# Altium PCB MiniPC.PcbDoc (part 16 of 23)
Units mm, origin at the board's own origin, x right, y up, seen from the top; angles counter-clockwise.
Board outline 175 x 155 mm, 16 copper layers (1_Top, 2_int1_(gnd), 3_int2_(power), 4_int3_(gnd), 5_int4_(sign), 6_int5_(power), 7_int6_(sign), 8_int7_(power), 9_int8_(gnd), 10_int9_(sign), 11_int10_(gnd), 12_int11_(sign), 13_int12_(gnd), 14_int13_(power), 15_int14_(gnd), 16_Bottom), stack 2.008 mm thick; 1046 components, 841 nets, 6010 pads, 4016 vias.
Unrouted connection lines stored in the file: 602.
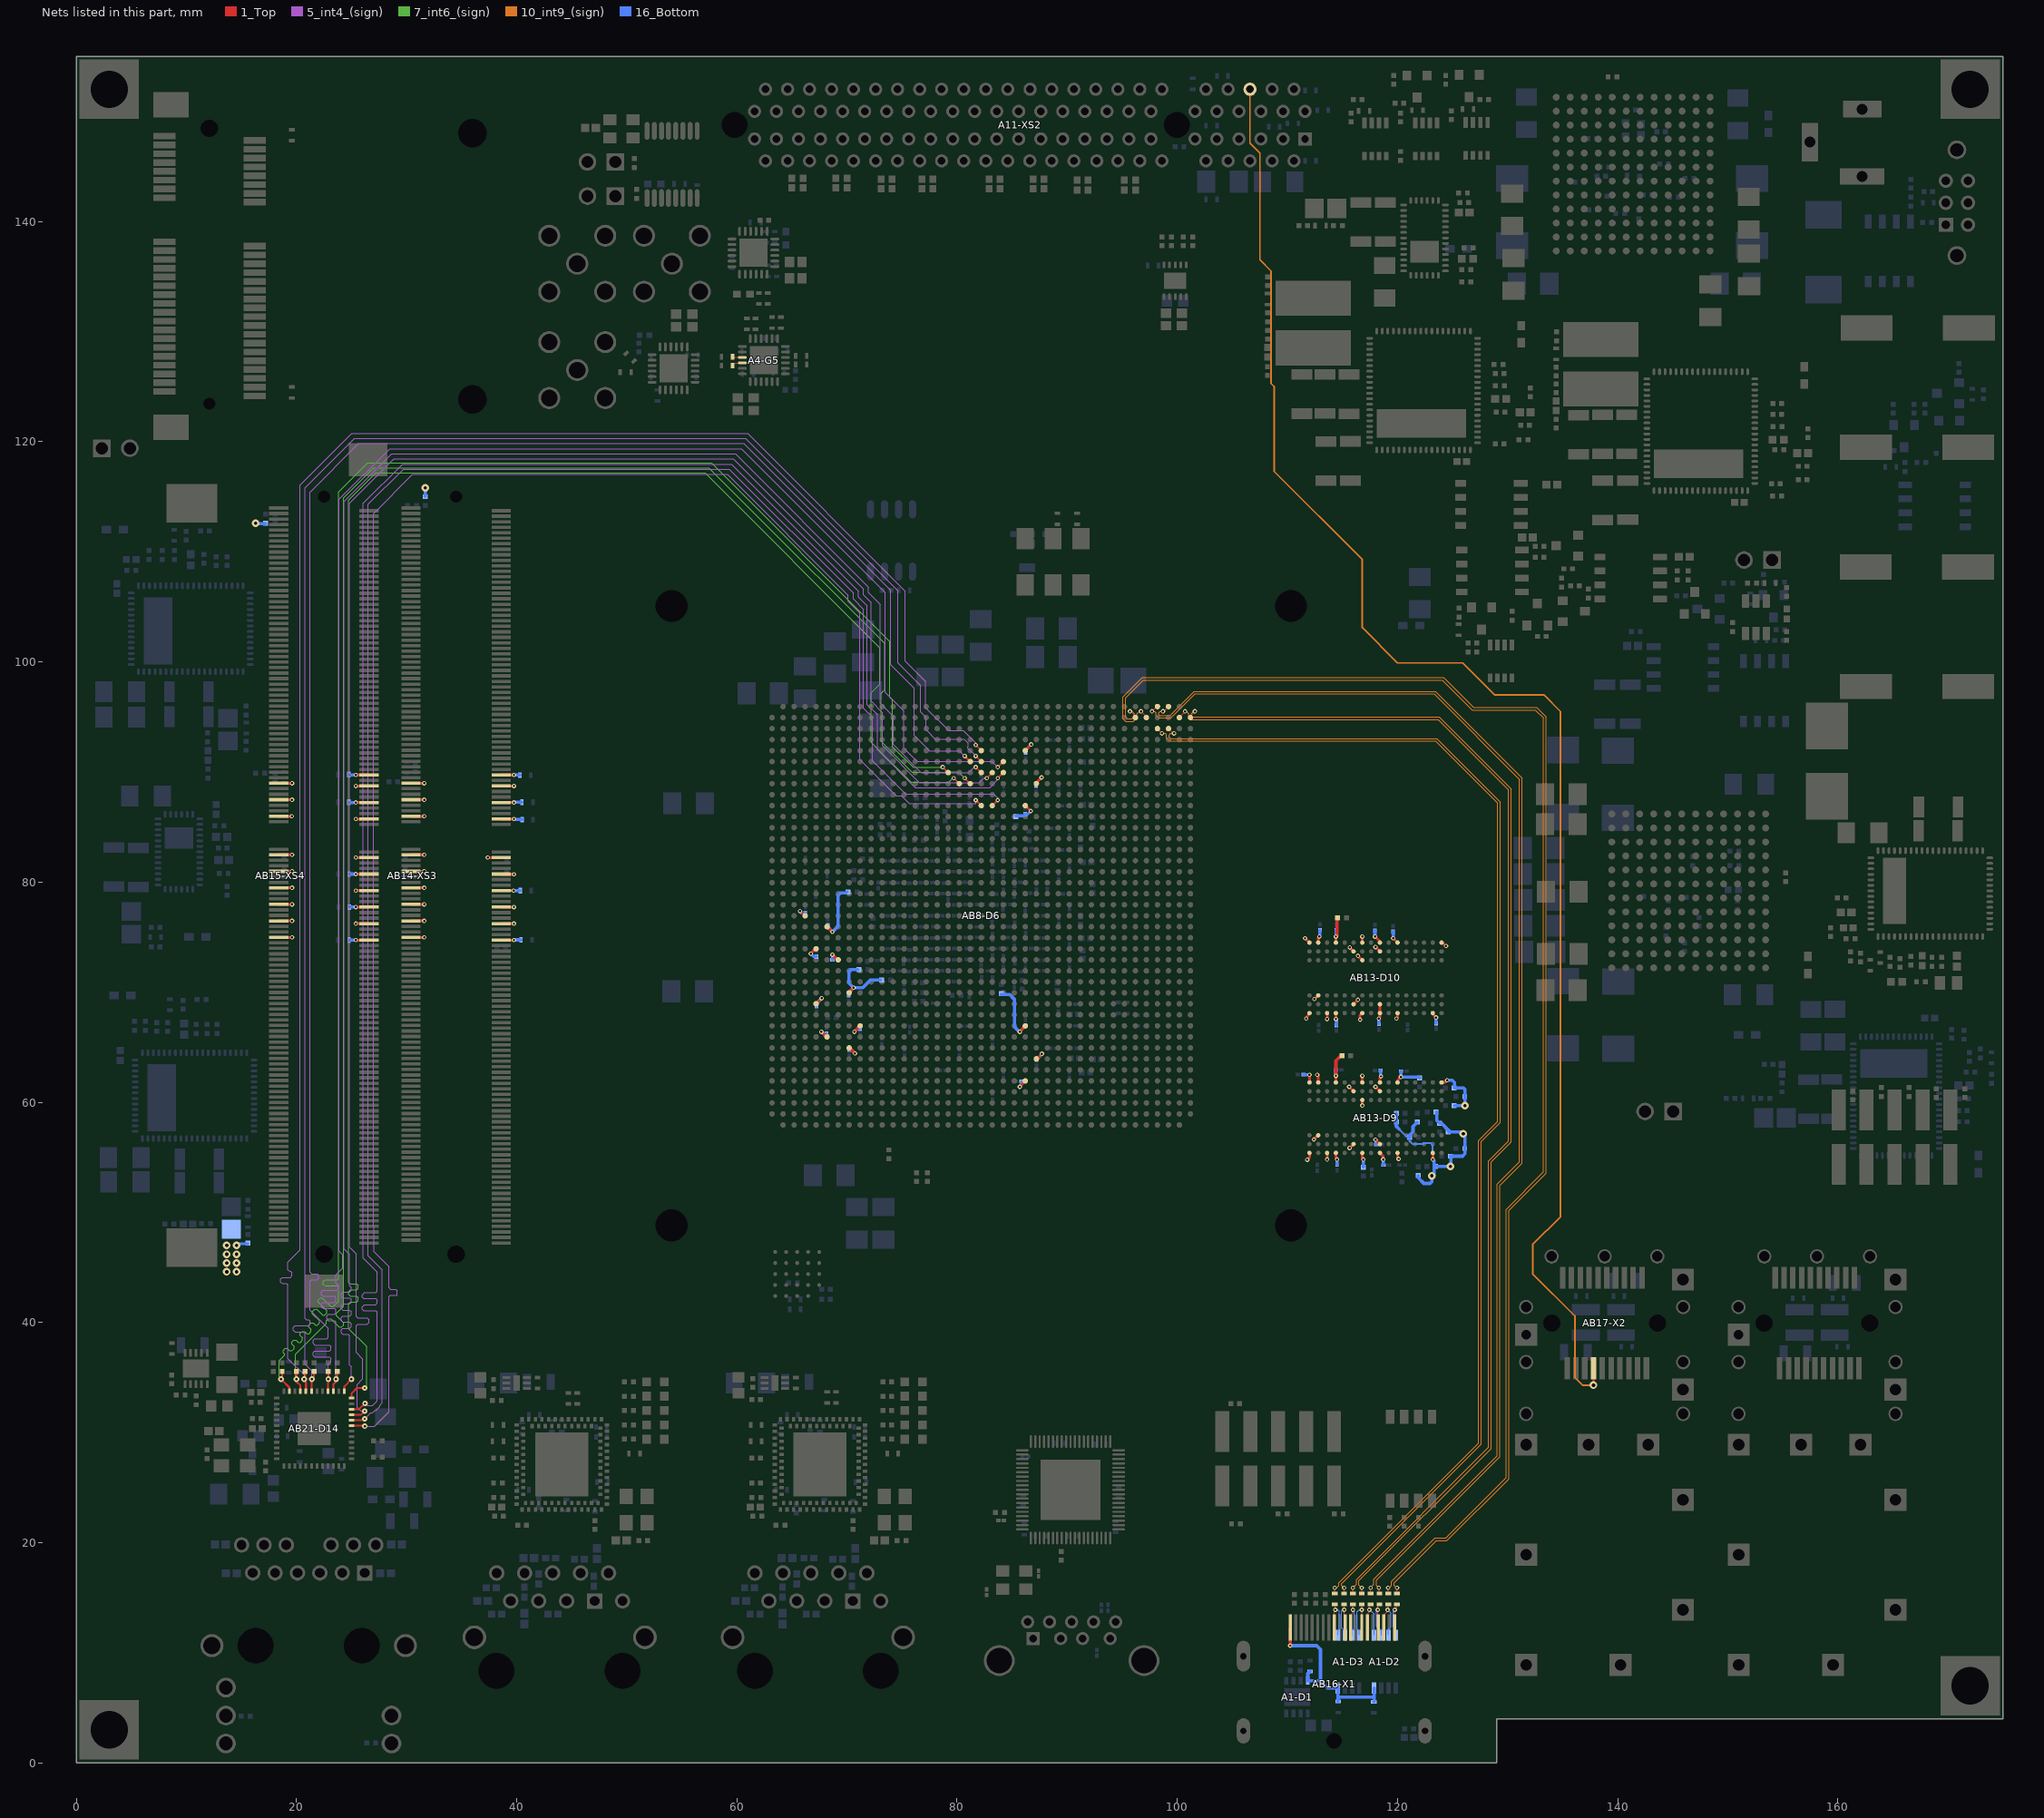
[diagram p30: the nets of this part, all layers, seen from the top]

## Via types
v1: diameter 0.4, hole 0.2, 1_Top to 16_Bottom, tented both sides, 1658 vias
v2: diameter 0.7, hole 0.3, 1_Top to 16_Bottom, tented both sides, 915 vias
v3: diameter 0.5, hole 0.2, 1_Top to 16_Bottom, tented both sides, 854 vias
v4: diameter 0.6, hole 0.2, 1_Top to 16_Bottom, 278 vias
v5: diameter 0.5, hole 0.2, 1_Top to 16_Bottom, 162 vias
v6: diameter 0.4, hole 0.2, 1_Top to 16_Bottom, 100 vias
v7: diameter 0.4/0/0/0/0/0/0/0/0/0/0/0/0/0/0/0.4 (per signal layer), hole 0.2, 1_Top to 16_Bottom, tented both sides, 18 vias
v8: diameter 0.4/0/0/0/0/0/0/0/0/0/0/0.4/0.4/0.4/0.4/0.4 (per signal layer), hole 0.2, 1_Top to 16_Bottom, tented both sides, 16 vias
v9: diameter 0.5, hole 0.254, 1_Top to 16_Bottom, 15 vias

## Nets (pads, with @x,y where several pads share a name; then routed paths per layer and width w, separated by ;. In a path a pad name is that pad's centre, name@x,y a point inside that pad or via, vN(x,y) a via of type N, cw(c..) or ccw(c..) an arc to the next point about the centre after c; other vN are vias at no path point) (continued)
DDR4VCC: AB2-C236.2 AB2-C242.2 AB2-C248.2 AB2-C253.2 AB2-C258.2 AB2-C263.2 AB2-C268.2 AB2-C273.2 AB2-C278.2 AB2-C283.2 AB2-C288.2 AB2-C293.2 AB2-C298.2 AB2-C303.2 AB2-C307.2 AB3-R34.1 AB3-R36.1 AB3-R38.1 AB3-R42.1 AB3-R45.1 AB8-D6.AA6 AB8-D6.AC5 AB8-D6.AD7 AB8-D6.AG8 AB8-D6.AH5 AB8-D6.AK9 AB8-D6.AK24 AB8-D6.AL6 AB8-D6.AM8 AB8-D6.AN25 AB8-D6.AR24 AB8-D6.E24 AB8-D6.H25 AB8-D6.K24 AB8-D6.Y4 AB13-C340.2 AB13-C341.2 AB13-C342.2 AB13-C343.2 AB13-C344.2 AB13-C345.2 AB13-C346.2 AB13-C349.2 AB13-C350.2 AB13-C351.2 AB13-C352.2 AB13-C353.2 AB13-C354.2 AB13-C355.2 AB13-D9.A1 AB13-D9.A9 AB13-D9.B3 AB13-D9.B9 AB13-D9.C1 AB13-D9.D1 AB13-D9.D9 AB13-D9.F2 AB13-D9.F8 AB13-D9.G1 AB13-D9.G7 AB13-D9.G9 AB13-D9.J1 AB13-D9.J2 AB13-D9.J8 AB13-D9.J9 AB13-D9.L1 AB13-D9.L9 AB13-D9.R1 AB13-D9.T9 AB13-D10.A1 AB13-D10.A9 AB13-D10.B3 AB13-D10.B9 AB13-D10.C1 AB13-D10.D1 AB13-D10.D9 AB13-D10.F2 AB13-D10.F8 AB13-D10.G1 AB13-D10.G7 AB13-D10.G9 AB13-D10.J1 AB13-D10.J2 AB13-D10.J8 AB13-D10.J9 AB13-D10.L1 AB13-D10.L9 AB13-D10.R1 AB13-D10.T9 AB13-R64.1 AB13-R65.1 AB13-R66.1 AB13-R67.1 AB13-R68.1 AB13-R69.1 AB13-R70.1 AB13-R71.1 AB13-R72.1 AB13-R73.1 AB13-R74.1 AB13-R75.1 AB13-R76.1 AB13-R77.1 AB13-R78.1 AB13-R80.2 AB13-R81.2 AB13-R82.2 AB14-C357.1 AB14-C358.1 AB14-C359.1 AB14-C360.1 AB14-C362.1 AB14-R87.1 AB14-XS3.111 AB14-XS3.112 AB14-XS3.117 AB14-XS3.118 AB14-XS3.123 AB14-XS3.124 AB14-XS3.129 AB14-XS3.130 AB14-XS3.135 AB14-XS3.136 AB14-XS3.141 AB14-XS3.142 AB14-XS3.147 AB14-XS3.148 AB14-XS3.153 AB14-XS3.154 AB14-XS3.159 AB14-XS3.160 AB14-XS3.163 AB15-C364.1 AB15-C365.1 AB15-C366.1 AB15-C367.1 AB15-C369.1 AB15-R92.1 AB15-XS4.111 AB15-XS4.112 AB15-XS4.117 AB15-XS4.118 AB15-XS4.123 AB15-XS4.124 AB15-XS4.129 AB15-XS4.130 AB15-XS4.135 AB15-XS4.136 AB15-XS4.141 AB15-XS4.142 AB15-XS4.147 AB15-XS4.148 AB15-XS4.153 AB15-XS4.154 AB15-XS4.159 AB15-XS4.160 AB15-XS4.163 AB26-R198.1 AB26-R199.2 | length 155.2
  1_Top w0.25: AB15-XS4.112@18.4,74.975 v1(19.602,74.975) ; AB15-XS4.118@18.4,76.475 v1(19.602,76.475) ; AB15-XS4.124@18.4,77.975 v1(19.602,77.975) ; AB15-XS4.130@18.4,79.475 v1(19.602,79.475) ; AB15-XS4.136@18.4,80.975 v1(19.602,80.975) ; AB15-XS4.142@18.4,82.475 v1(19.602,82.475) ; AB15-XS4.148@18.4,85.975 v1(19.572,85.975) ; AB15-XS4.154@18.4,87.475 v1(19.602,87.475) ; AB15-XS4.160@18.4,88.975 v1(19.602,88.975) ; v1(25.398,74.725) AB15-XS4.111@26.6,74.725 ; v1(25.398,76.225) AB15-XS4.117@26.6,76.225 ; v1(25.398,77.725) AB15-XS4.123@26.6,77.725 ; v1(25.398,79.225) AB15-XS4.129@26.6,79.225 ; v1(25.398,80.725) AB15-XS4.135@26.6,80.725 ; v1(25.398,82.225) AB15-XS4.141@26.6,82.225 ; v1(25.398,85.725) AB15-XS4.147@26.6,85.725 ; v1(25.398,87.225) AB15-XS4.153@26.6,87.225 ; v1(25.398,88.725) AB15-XS4.159@26.6,88.725 ; v1(25.398,89.725) AB15-XS4.163@26.6,89.725 ; AB14-XS3.112@30.4,74.975 v1(31.602,74.975) ; AB14-XS3.118@30.4,76.475 v1(31.602,76.475) ; AB14-XS3.124@30.4,77.975 v1(31.602,77.975) ; AB14-XS3.130@30.4,79.475 v1(31.602,79.475) ; AB14-XS3.136@30.4,80.975 v1(31.602,80.975) ; AB14-XS3.142@30.4,82.475 v1(31.602,82.475) ; AB14-XS3.148@30.4,85.975 v1(31.602,85.975) ; AB14-XS3.154@30.4,87.475 v1(31.602,87.475) ; AB14-XS3.160@30.4,88.975 v1(31.602,88.975) ; v1(37.375,82.225) AB14-XS3.141@38.6,82.225 ; AB14-XS3.111@38.6,74.725 v1(39.75,74.725) ; AB14-XS3.117@38.6,76.225 v1(39.75,76.225) ; AB14-XS3.123@38.6,77.725 v1(39.75,77.725) ; AB14-XS3.129@38.6,79.225 v1(39.725,79.225) ; AB14-XS3.135@38.6,80.725 AB14-XS3.135@38.621,80.704 ; AB14-XS3.147@38.6,85.725 v1(39.75,85.725) ; AB14-XS3.153@38.6,87.225 v1(39.75,87.225) ; AB14-XS3.159@38.6,88.725 v1(39.75,88.725) ; AB14-XS3.163@38.6,89.725 v1(39.75,89.725) ; v1(39.752,80.704) AB14-XS3.135@38.621,80.704 ; v1(65.725,77.35) 65.725,77.311 65.822,77.311 AB8-D6.Y4@66.194,76.939 AB8-D6.Y4@66.161,76.939 ; v1(66.7,73.5) 67.139,73.939 AB8-D6.AC5@67.194,73.939 AB8-D6.AC5@67.194,73.919 ; AB8-D6.AH5@67.194,68.939 v1(67.694,69.439) ; v1(85.7,61.4) 85.7,61.445 AB8-D6.AR24@86.194,61.939 ; v1(85.7,66.4) 85.7,66.445 AB8-D6.AK24@86.194,66.939 ; AB8-D6.K24@86.194,86.939 86.683,86.45 v1(86.7,86.45) ; AB8-D6.E24@86.194,91.939 86.725,92.47 v1(86.725,92.5) ; AB8-D6.AN25@87.194,63.939 87.239,63.939 v1(87.7,64.4) ; AB8-D6.H25@87.194,88.939 87.194,89.019 v1(87.675,89.5) ; v1(111.6,74.9) AB13-D10.A9@112,74.5 ; v1(111.7,67.6) 111.7,67.7 112,68 AB13-D10.A1@112,68.1 ; v1(111.8,54.775) 112,54.975 AB13-D9.A1@112,55.4 ; AB13-D9.A9@112,61.8 v1(112,62.5) ; v1(112.4,56.622) 112.778,57 AB13-D9.B3@112.8,57 ; v1@112.439,69.383 v1(112.45,69.372) 112.461,69.361 AB13-D10.B3@112.8,69.7 ; v1(112.7,62.5) 112.8,62.5 AB13-D9.B9@112.8,61.8 ; AB13-D10.B9@112.8,74.5 112.8,74.95 v1(112.9,75.05) ; v1(113.6,54.8) AB13-D9.C1@113.6,55.4 ; v1(113.6,67.55) AB13-D10.C1@113.6,68.1 ; AB13-D9.D1@114.4,55.4 114.4,54.9 v1(114.5,54.8) ; AB13-D9.D9@114.4,61.8 v1(114.4,62.4) ; v1(114.4,67.55) AB13-D10.D1@114.4,68.1 ; AB13-D10.D9@114.4,74.5 v1(114.4,75.05) ; v1(115.6,61.4) AB13-D9.F8@116,61 ; v1(115.65,55.85) AB13-D9.F2@116,56.2 ; v1(115.661,74.061) 115.661,74.039 AB13-D10.F8@116,73.7 ; AB13-D10.F2@116,68.9 v1(116.4,69.3) ; v1(116.4,73.3) AB13-D10.G7@116.8,72.9 ; v1(116.6,67.5) 116.6,67.9 AB13-D10.G1@116.8,68.1 ; AB13-D9.G1@116.8,55.4 116.8,54.9 v1(116.9,54.8) ; v1(116.8,59.7) AB13-D9.G7@116.8,60.2 ; AB13-D9.G9@116.8,61.8 v1(116.8,62.4) ; AB13-D10.G9@116.8,74.5 v1(116.8,75.05) ; v1(117.95,75.05) 118.4,74.6 AB13-D10.J9@118.4,74.5 ; v1(118,56.6) AB13-D9.J2@118.4,56.2 ; v1(118,61.4) AB13-D9.J8@118.4,61 ; v1(118,74.1) AB13-D10.J8@118.4,73.7 ; v1(118.3,67.6) 118.35,67.6 118.4,67.65 AB13-D10.J1@118.4,68.1 AB13-D10.J2@118.4,68.9 ; AB13-D9.J1@118.4,55.4 118.675,55.125 118.675,54.8 v1(118.7,54.8) ; AB13-D9.J9@118.4,61.8 118.4,62.25 v1(118.5,62.35) ; v1(119.6,74.9) AB13-D10.L9@120,74.5 ; v1(119.9,67.6) 120,67.7 AB13-D10.L1@120,68.1 ; AB13-D9.L1@120,55.4 120,54.95 v1(120.1,54.85) ; AB13-D9.L9@120,61.8 120,62 v1(120.3,62.3) ; v1(123.2,54.8) AB13-D9.R1@123.2,55.4 ; AB13-D10.R1@123.2,68.1 123.2,68 v1(123.5,67.7) ; AB13-D9.T9@124,61.8 124.3,61.8 v1(124.5,62) ; AB13-D10.T9@124,74.5 124.078,74.5 124.378,74.2 v1(124.4,74.2) ; AB14-XS3.135@38.621,80.704 38.617,80.7 38.613,80.704 AB14-XS3.135@38.621,80.704
  1_Top w0.3: v1(67.675,66.4) 68.136,65.939 AB8-D6.AL6@68.194,65.939 ; AB8-D6.AA6@68.194,75.939 68.194,75.931 68.65,75.475 v1(68.675,75.475) ; v1(68.675,73.4) 69.136,72.939 AB8-D6.AD7@69.194,72.939 ; AB8-D6.AM8@70.194,64.939 70.236,64.939 70.725,64.45 v1(70.725,64.425) ; AB8-D6.AG8@70.194,69.939 70.194,69.994 v1(70.6,70.4) ; v1(70.675,66.4) 70.675,66.42 AB8-D6.AK9@71.194,66.939 ; v1(114.4,62.4) 114.4,63.778 114.833,64.211 AB13-R80.2@114.891,64.211 ; v1(114.4,75.05) 114.5,75.15 114.5,76.756 AB13-R81.2@114.503,76.759
  5_int4_(sign) w0.25: v1@65.725,77.311 v1(65.725,77.35)
  16_Bottom w0.17: 120.15,57.55 120.9,56.8 121.075,56.8 121.075,56.504 121.354,56.225 122.325,56.225 122.383,56.283 123.017,56.283 123.175,56.125 123.175,56.012 123.165,56.002 123.165,54.835 v1(123.2,54.8)
  16_Bottom w0.25: v2@14.61,47.16 AB26-R199.2@15.59,47.16 ; v1(85.7,61.4) 85.86,61.56 AB2-C248.2@85.86,61.9 ; v1(85.7,66.4) 85.7,66.44 AB2-C242.2@86.2,66.94 ; AB2-C263.2@86.175,86.165 86.415,86.165 v1(86.7,86.45) ; AB2-C258.2@86.225,91.76 86.225,92 v1(86.725,92.5) ; AB2-C253.2@87.175,88.76 87.175,89 v1(87.675,89.5) ; AB2-C236.2@87.2,63.86 87.7,64.36 v1(87.7,64.4)
  16_Bottom w0.3: v2(16.3,112.6) 16.35,112.55 AB15-R92.1@17.2,112.55 ; AB14-C358.1@24.757,87.249 24.781,87.225 v1(25.398,87.225) ; AB14-C357.1@24.757,89.764 24.796,89.725 v1(25.398,89.725) ; AB14-C362.1@24.782,74.727 24.784,74.725 v1(25.398,74.725) ; AB14-C359.1@24.782,80.721 24.786,80.725 v1(25.398,80.725) ; AB14-C360.1@24.808,77.724 AB14-C360.1@24.808,77.724 v1(25.398,77.725) ; AB14-R87.1@31.7,115.025 v2(31.7,115.8) ; v1(39.725,79.225) 39.727,79.223 AB15-C367.1@40.318,79.223 ; v1(39.75,74.725) 39.777,74.752 AB15-C366.1@40.394,74.752 ; v1(39.75,85.725) 39.801,85.674 AB15-C365.1@40.496,85.674 ; v1(39.75,87.225) 39.774,87.249 AB15-C369.1@40.47,87.249 ; v1(39.75,89.725) 39.762,89.713 AB15-C364.1@40.292,89.713 ; v1(65.725,77.35) 65.885,77.19 AB2-C288.2@66.219,77.19 ; v1(66.7,73.5) 66.96,73.24 AB2-C273.2@67.225,73.24 ; AB2-C268.2@67.225,68.735 67.225,68.97 v1(67.694,69.439) ; v1(67.675,66.4) 67.86,66.215 AB2-C283.2@68.15,66.215 ; AB2-C293.2@68.253,76.09 68.253,75.897 v1(68.675,75.475) 69.2,76 69.2,78.825 69.4,79.025 69.925,79.025 AB3-R34.1@70,79.1 ; v1(68.675,73.4) 68.685,73.39 AB2-C298.2@68.685,72.925 ; AB2-C303.2@70.15,69.735 70.15,69.95 v1(70.6,70.4) ; AB2-C307.2@70.2,64.76 70.39,64.76 v1(70.725,64.425) ; v1(70.675,66.4) 70.96,66.685 AB2-C278.2@71.2,66.685 ; AB3-R36.1@71,72.05 70.325,72.05 70.175,71.9 70.175,70.825 v1(70.6,70.4) ; AB3-R38.1@73.05,71.1 72.125,71.1 71.425,70.4 v1(70.6,70.4) ; AB3-R45.1@84,69.775 84.775,69.775 85.2,69.35 85.2,66.85 85.65,66.4 v1(85.7,66.4) ; AB3-R42.1@85.325,86.025 86.035,86.025 AB2-C263.2@86.175,86.165 ; AB13-C340.2@111.46,62.5 v1(112,62.5) ; v1(112.9,75.05) 112.95,75.1 AB13-C350.2@112.95,75.64 ; AB13-C343.2@114.39,62.95 114.39,62.41 v1(114.4,62.4) ; v1(114.4,67.55) 114.45,67.5 AB13-C355.2@114.45,67.01 ; v1(114.4,75.05) 114.425,75.075 AB13-C353.2@114.425,75.64 ; AB13-C341.2@114.5,54.335 v1@114.5,54.8 ; AB13-R64.1@116.9,54.15 v1@116.9,54.8 ; v1(117.95,75.05) AB13-C354.2@117.95,75.59 ; v1(118,56.6) 118.065,56.535 AB13-C346.2@118.065,56.175 ; AB13-C349.2@118.3,67.11 v1@118.3,67.6 ; AB13-C342.2@118.46,62.9 118.46,62.39 v1(118.5,62.35) ; v1(118.7,54.8) 118.7,54.315 AB13-C345.2@118.715,54.3 ; v1(119.6,74.9) AB13-C351.2@119.6,75.49 ; AB13-R77.1@119.875,59 119.875,58.2 119.875,57.825 120.15,57.55 ; AB13-C344.2@120.315,62.825 120.315,62.315 v1(120.3,62.3) 121.925,62.3 AB13-R70.1@122,62.225 ; AB13-R69.1@121.075,56.8 121.075,57 121.107,57 121.4,57.293 121.4,57.707 121.375,57.732 121.375,57.782 121.768,58.175 AB13-R68.1@121.8,58.175 ; AB13-R71.1@121.87,53.325 121.87,53.145 122.385,52.63 122.96,52.63 123.1,52.77 v2(123.1,53.325) ; v2@123.15,53.25 123.325,53.425 AB13-R82.2@123.325,54.175 ; v1(123.2,54.8) 123.325,54.675 AB13-R82.2@123.325,54.175 ; AB13-C352.2@123.5,67.185 v1(123.5,67.7) ; AB13-R66.1@123.525,59.1 123.575,59.05 123.575,58.35 123.825,58.1 123.974,58.1 124.625,57.449 124.625,57.3 125.825,57.3 v2(125.975,57.15) 126.125,57 126.125,55.8 126.125,55.325 125.9,55.1 124.825,55.1 124.85,55.075 124.85,54.175 v2(124.8,54.175) AB13-R82.2@123.325,54.175 ; v1(124.5,62) 124.975,62 125.175,61.8 125.175,61.3 125.975,61.3 126.125,61.15 126.125,60.5 126.125,59.775 126.05,59.7 AB13-R74.1@125.175,59.7
  other v2: 13.67,44.6 14.57,44.6 13.67,45.4 14.57,45.4 13.67,46.2 14.57,46.2 13.67,47 14.57,47 126.125,59.7
DP_3V3: A1-C10.2 A1-C11.2 A1-C12.2 A1-D1.4 A1-D2.8 A1-D3.8 AB16-X1.20 | length 17
  1_Top w0.3: v1(110.25,10.65) AB16-X1.20@110.25,12.29
  16_Bottom w0.3: v1(110.25,10.65) 112.65,10.65 113,10.3 113,7.45 ; A1-C10.2@112.05,8.3 111.85,8.1 A1-D1.4@111.85,7.45 113,7.45 ; A1-D3.8@114.55,6.8 113.65,6.8 113,7.45 ; A1-D3.8@114.575,6.8 114.575,5.975 ; A1-C12.2@114.6,5.575 114.575,5.6 114.575,5.975 ; A1-C11.2@117.85,5.55 117.875,5.575 117.875,5.9 ; A1-D2.8@117.875,6.8 117.875,5.975 114.575,5.975
DP_ML_LANE0_C_N: A1-C3.2 A1-D2.3 AB16-X1.3 | length 4.8
  1_Top w0.1: AB16-X1.3@118.75,12.29 118.75,13.44 119.1,13.79 v1(119.1,13.89) 119.15,13.94 A1-C3.2@119.15,14.4
  16_Bottom w0.1: v1(119.1,13.89) 119.39,13.6 119.39,12.373 119.175,12.158 A1-D2.3@119.175,11.6
DP_ML_LANE0_C_P: A1-C2.2 A1-D2.4 AB16-X1.1 | length 4.6
  1_Top w0.1: AB16-X1.1@119.75,12.29 v1(119.75,13.9) 119.75,13.99 119.95,14.19 A1-C2.2@119.95,14.4
  16_Bottom w0.1: v1(119.75,13.9) 119.61,13.76 119.61,12.373 119.825,12.158 A1-D2.4@119.825,11.6
DP_ML_LANE0_N: A1-C3.1 AB8-D6.B34 | length 130.4
  1_Top w0.1: v1(95.7,95.5) 95.8,95.5 96.194,95.106 AB8-D6.B34@96.194,94.939 ; A1-C3.1@119.15,15.4 v1(119.15,15.9) v1@119.15,16.05
  10_int9_(sign) w0.09: v1(95.7,95.5) 95.875,95.5 96.1,95.275 96.1,95.025 95.9,94.825 95.425,94.825 95.3,94.95 95.3,96.725 96.91,98.335 124.076,98.335 126.786,95.625 132.525,95.625 133.25,94.9 133.25,53.664 129.86,50.274 129.86,25.899 124.376,20.415 123.416,20.415 119.46,16.459 119.46,16.1 119.26,15.9 v1(119.15,15.9)
DP_ML_LANE0_P: A1-C2.1 AB8-D6.B35 | length 131.9
  1_Top w0.1: v1(96.7,95.5) 96.7,95.488 97.194,94.994 AB8-D6.B35@97.194,94.939 ; A1-C2.1@119.95,15.4 v1(119.95,15.9) v1@119.95,16.05
  10_int9_(sign) w0.09: v1(96.7,95.5) 96.565,95.5 96.34,95.275 96.34,94.926 95.999,94.585 95.326,94.585 95.06,94.851 95.06,96.824 96.811,98.575 124.175,98.575 126.885,95.865 132.624,95.865 133.49,94.999 133.49,53.565 130.1,50.175 130.1,25.8 124.475,20.175 123.515,20.175 119.7,16.36 119.7,16.1 119.9,15.9 v1(119.95,15.9)
DP_ML_LANE1_C_N: A1-C5.2 A1-D2.1 AB16-X1.6 | length 4.9
  1_Top w0.1: AB16-X1.6@117.25,12.29 117.25,13.54 117.55,13.84 117.49,13.9 v1(117.445,13.9) 117.445,14.295 A1-C5.2@117.55,14.4
  16_Bottom w0.1: v1(117.445,13.9) 117.5,13.9 117.875,13.525 A1-D2.1@117.875,11.6
DP_ML_LANE1_C_P: A1-C4.2 A1-D2.2 AB16-X1.4 | length 4.8
  1_Top w0.1: AB16-X1.4@118.25,12.29 118.2,12.34 v1(118.2,13.9) 118.2,14.35 118.25,14.4 A1-C4.2@118.35,14.4
  16_Bottom w0.1: v1(118.2,13.9) 118.1,13.8 118.1,12.4 118.525,11.975 A1-D2.2@118.525,11.6
DP_ML_LANE1_N: A1-C5.1 AB8-D6.A36 | length 118.3
  1_Top w0.1: v1(97.7,95.5) 98.139,95.939 AB8-D6.A36@98.194,95.939 ; A1-C5.1@117.55,15.4 v1(117.55,15.9) v1@117.55,16.05
  10_int9_(sign) w0.09: v1(97.7,95.5) 97.955,95.5 98.08,95.375 98.08,95.126 98.308,94.897 99.437,94.897 101.624,97.085 123.326,97.085 131.08,89.33 131.08,54.57 129.06,52.549 129.06,27.899 117.86,16.699 117.86,16.21 v1(117.55,15.9)
DP_ML_LANE1_P: A1-C4.1 AB8-D6.A37 | length 118.2
  1_Top w0.1: v1(98.7,95.5) 98.755,95.5 AB8-D6.A37@99.194,95.939 ; A1-C4.1@118.35,15.4 v1@118.35,16
  10_int9_(sign) w0.09: v1(98.7,95.5) 98.445,95.5 98.32,95.375 98.32,95.225 98.408,95.137 99.338,95.137 101.525,97.325 123.425,97.325 131.32,89.43 131.32,54.47 129.3,52.45 129.3,27.8 118.1,16.6 118.1,16.1 v1(118.3,15.9)
DP_ML_LANE2_C_N: A1-C7.2 A1-D3.3 AB16-X1.9 | length 4.6
  1_Top w0.1: AB16-X1.9@115.75,12.29 115.75,13.44 115.95,13.64 v1(115.95,13.9) A1-C7.2@115.95,14.4
  16_Bottom w0.1: A1-D3.3@115.875,11.6 115.875,11.975 116.09,12.19 116.09,13.76 v1(115.95,13.9)
DP_ML_LANE2_C_P: A1-C6.2 A1-D3.4 AB16-X1.7 | length 4.8
  1_Top w0.1: AB16-X1.7@116.75,12.29 116.75,13.54 v1(116.75,13.9) A1-C6.2@116.75,14.4
  16_Bottom w0.1: A1-D3.4@116.525,11.6 116.525,11.975 116.31,12.19 116.31,13.71 116.5,13.9 v1(116.75,13.9)
DP_ML_LANE2_N: A1-C7.1 AB8-D6.B38 | length 112.2
  1_Top w0.1: AB8-D6.B38@100.194,94.939 100.194,94.994 v1(100.7,95.5) ; A1-C7.1@115.95,15.4 v1(115.95,15.9) v1@115.95,16.05
  10_int9_(sign) w0.09: v1(100.7,95.5) 100.83,95.5 101.03,95.3 101.03,94.995 101.265,94.76 123.676,94.76 130.08,88.355 130.08,56.495 128.26,54.674 128.26,28.659 116.26,16.659 116.26,16.21 v1(115.95,15.9)
DP_ML_LANE2_P: A1-C6.1 AB8-D6.B39 | length 112.2
  1_Top w0.1: AB8-D6.B39@101.194,94.939 101.194,95.094 v1(101.6,95.5) ; A1-C6.1@116.75,15.4 v1(116.75,15.9) v1@116.75,16.05
  10_int9_(sign) w0.09: v1(101.6,95.5) 101.47,95.5 101.27,95.3 101.27,95.094 101.364,95 123.775,95 130.32,88.455 130.32,56.395 128.5,54.575 128.5,28.56 116.5,16.56 116.5,16.15 v1(116.75,15.9)
DP_ML_LANE3_C_N: A1-C9.2 A1-D3.1 AB16-X1.12 | length 4.8
  1_Top w0.1: AB16-X1.12@114.25,12.29 114.25,13.8 v1(114.35,13.9) A1-C9.2@114.35,14.4
  16_Bottom w0.1: v1(114.35,13.9) 114.6,13.9 114.7,13.8 114.7,12.1 114.575,11.975 A1-D3.1@114.575,11.6
DP_ML_LANE3_C_P: A1-C8.2 A1-D3.2 AB16-X1.10 | length 4.8
  1_Top w0.1: A1-C8.2@115.15,14.4 v1(115.15,13.9) 115.15,13.45 115.25,13.35 AB16-X1.10@115.25,12.29
  16_Bottom w0.1: v1(115.15,13.9) 115,13.9 114.92,13.82 114.92,12.28 115.225,11.975 A1-D3.2@115.225,11.6
DP_ML_LANE3_N: A1-C9.1 AB8-D6.C36 | length 112.1
  1_Top w0.1: AB8-D6.C36@98.194,93.906 AB8-D6.C36@98.194,93.939 98.6,93.533 v1(98.6,93.5) ; A1-C9.1@114.3,15.4 v1(114.3,15.9) v1@114.3,16
  10_int9_(sign) w0.09: v1(98.6,93.5) 98.9,93.5 99.03,93.37 99.03,93.07 99.3,92.8 123.461,92.8 129.1,87.161 129.1,58.264 127.36,56.524 127.36,29.06 114.66,16.36 114.66,16.1 114.46,15.9 v1(114.3,15.9) v1@114.3,16
DP_ML_LANE3_P: A1-C8.1 AB8-D6.C37 | length 112
  1_Top w0.1: AB8-D6.C37@99.194,93.939 99.633,93.5 v1(99.7,93.5) ; A1-C8.1@115.15,15.4 v1(115.15,15.9) v1@115.15,16.05
  10_int9_(sign) w0.09: v1(99.7,93.5) 99.4,93.5 99.27,93.37 99.27,93.17 99.399,93.04 123.56,93.04 129.34,87.26 129.34,58.165 127.6,56.425 127.6,28.961 114.9,16.261 114.9,16.1 115.1,15.9 v1(115.15,15.9)
ENET_GTX_CLK: AB8-D6.H18 AB21-D14.24 | length 160.7
  1_Top w0.15: v1(79.694,89.439) AB8-D6.H18@80.194,88.939
  1_Top w0.17: AB21-D14.24@25.012,33.125 25.012,33.562 25.5,34.05 v3@26.1,34.05
  7_int6_(sign) w0.1: v3(26.2,34.05) 26.375,34.225 26.375,37.8 24.75,39.425 24.75,41.713 24.887,41.85 25.483,41.85 25.62,41.988 25.62,42.263 25.483,42.4 24.887,42.4 24.75,42.538 24.75,42.813 24.887,42.95 25.483,42.95 25.62,43.088 25.62,43.363 25.483,43.5 24.887,43.5 24.75,43.638 24.75,114.691 27.209,117.15 57.1,117.15 72.979,101.271 72.979,97.979 72.175,97.175 72.175,92.696 75.821,89.05 79.238,89.05 79.694,89.506 v1(79.694,89.439)
ENET_REFCLK_C_N: A4-C57.1 A4-G5.22 | length 1
  1_Top w0.1: A4-C57.1@59.6,127 59.75,127.15 A4-G5.22@60.5,127.15
ENET_REFCLK_C_P: A4-C58.1 A4-G5.21 | length 0.9
  1_Top w0.1: A4-C58.1@59.6,127.7 59.65,127.65 A4-G5.21@60.5,127.65
ENET_RX_CLK: AB8-D6.G17 AB21-D14.35 AB21-R131.2 | length 168.4
  1_Top w0.15: v1(78.694,90.439) AB8-D6.G17@79.194,89.939
  1_Top w0.17: AB21-R131.2@18.7,35.55 18.7,34.95 v3(18.6,34.85) 19.362,34.088 AB21-D14.35@19.362,33.775
  7_int6_(sign) w0.1: v3(18.6,34.85) 18.425,35.025 18.425,36.525 18.925,37.025 18.925,37.112 18.793,37.244 18.793,37.439 18.987,37.633 19.182,37.633 19.358,37.458 19.385,37.43 19.58,37.43 19.774,37.624 19.774,37.819 19.571,38.022 19.571,38.217 19.765,38.411 19.96,38.411 20.135,38.235 20.163,38.208 20.357,38.208 20.552,38.402 20.552,38.597 20.524,38.624 20.349,38.8 20.349,38.995 20.543,39.189 20.737,39.189 20.913,39.013 20.941,38.986 21.135,38.986 21.33,39.18 21.33,39.375 21.302,39.402 21.126,39.578 21.126,39.772 21.321,39.967 21.515,39.967 21.691,39.791 21.719,39.763 21.913,39.763 22.107,39.958 22.107,40.152 22.08,40.18 21.46,40.8 21.46,40.994 21.654,41.189 21.849,41.189 22.372,40.666 22.566,40.666 22.761,40.861 22.761,41.055 21.976,41.84 21.976,42.034 22.17,42.229 22.365,42.229 23.149,41.444 23.344,41.444 23.83,41.93 23.83,43.188 23.693,43.325 22.583,43.325 22.445,43.463 22.445,43.738 22.583,43.875 23.693,43.875 23.83,44.013 23.83,115.431 26.469,118.07 57.681,118.07 73.899,101.852 73.899,96.766 74.15,96.514 74.15,92.3 76.011,90.439 v1(78.694,90.439)
ENET_RX_DV: AB8-D6.H19 AB21-D14.33 AB21-R132.1 | length 161.8
  1_Top w0.15: v1(80.694,89.439) AB8-D6.H19@81.194,88.939
  1_Top w0.17: AB21-R132.1@20,35.55 v3(20,34.85) 20,34.625 20.362,34.263 AB21-D14.33@20.362,33.775
  7_int6_(sign) w0.1: v3(20,34.85) 19.9,34.95 19.9,37.1 22.713,39.913 22.713,39.968 ; 22.714,39.966 22.726,39.955 ; 22.727,39.953 22.727,40.148 22.921,40.342 23.116,40.342 23.129,40.329 23.887,39.571 24.081,39.571 24.276,39.766 24.276,39.96 23.615,40.621 23.615,40.815 24.29,41.49 24.29,114.882 27.018,117.61 57.465,117.61 61.025,114.05 61.05,114.05 73.439,101.661 73.439,97.484 73.101,97.146 73.101,92.761 75.883,89.979 78.884,89.979 78.93,90.025 80.108,90.025 v1(80.694,89.439)
ENET_RXD0: AB8-D6.E20 AB21-D14.32 AB21-R128.2 | length 166.6
  1_Top w0.15: v1(81.694,92.439) AB8-D6.E20@82.194,91.939
  1_Top w0.17: v3@20.7,34.75 20.862,34.588 AB21-D14.32@20.862,33.775 ; v3(20.7,34.85) 20.8,34.95 AB21-R128.2@20.8,35.55
  5_int4_(sign) w0.1: v3@20.725,34.85 20.725,35.225 19.225,36.725 19.225,43.413 19.088,43.55 18.705,43.55 18.567,43.688 18.567,43.963 18.705,44.1 19.45,44.1 19.588,44.238 19.588,44.513 19.45,44.65 19.363,44.65 19.225,44.788 19.225,45.485 20.315,46.575 20.315,116.04 25.02,120.745 60.984,120.745 75.302,106.428 75.302,100.073 77.15,98.225 77.15,95.825 79.225,93.75 80.55,93.75 81.694,92.606 v1(81.694,92.439)
ENET_RXD1: AB8-D6.F20 AB21-D14.31 AB21-R127.2 | length 167.3
  1_Top w0.15: v1(81.694,91.439) AB8-D6.F20@82.194,90.939
  1_Top w0.17: AB21-D14.31@21.362,33.775 21.362,34.811 v3(21.4,34.85) 21.6,35.05 AB21-R127.2@21.6,35.55
  5_int4_(sign) w0.1: v3(21.4,34.85) 21.4,35.6 20.775,36.225 20.775,39.013 20.637,39.15 19.863,39.15 19.726,39.288 19.726,39.563 19.863,39.7 21.114,39.7 21.251,39.838 21.251,40.113 21.114,40.25 20.913,40.25 20.775,40.388 20.775,115.8 25.26,120.285 60.794,120.285 74.614,106.465 74.614,99.911 76.69,97.835 76.69,95.435 77.175,94.95 77.175,93.825 78,93 80.649,93 81.025,92.624 81.025,92.334 80.983,92.293 80.983,92.15 v1(81.694,91.439)
ENET_RXD2: AB8-D6.F19 AB21-D14.28 AB21-R123.2 | length 170.2
  1_Top w0.17: AB21-D14.28@22.862,33.775 22.862,34.811 v3(22.9,34.85) AB21-R123.2@22.9,35.55 ; v1(80.694,91.439) AB8-D6.F19@81.194,90.939
  5_int4_(sign) w0.1: v3(22.9,34.85) 22.9,36.198 23.14,36.438 23.14,36.713 23.002,36.85 21.653,36.85 21.515,36.988 21.515,37.263 21.653,37.4 23.002,37.4 23.14,37.538 23.14,37.813 23.002,37.95 21.653,37.95 21.515,38.088 21.515,38.363 21.653,38.5 22.763,38.5 22.9,38.638 22.9,39.45 21.235,41.115 21.235,43.738 21.372,43.875 21.893,43.875 22.031,44.013 22.031,44.288 21.893,44.425 21.372,44.425 21.235,44.563 21.235,115.41 25.65,119.825 60.603,119.825 73.95,106.478 73.95,99.725 76.1,97.575 76.1,93.325 77.525,91.9 80.225,91.9 80.576,91.549 v1@80.675,91.549
ENET_RXD3: AB8-D6.F22 AB21-D14.27 AB21-R122.2 | length 170.2
  1_Top w0.17: AB21-D14.27@23.362,33.775 23.362,34.412 23.6,34.65 v3(23.6,34.85) 23.7,34.95 AB21-R122.2@23.7,35.55 ; v1(83.694,90.439) AB8-D6.F22@84.194,90.939
  5_int4_(sign) w0.1: v3(23.6,34.85) 23.6,40.038 23.462,40.175 22.89,40.175 22.753,40.313 22.753,40.588 22.89,40.725 23.462,40.725 23.6,40.863 23.6,41.138 23.462,41.275 22.417,41.275 22.28,41.413 22.28,41.688 22.417,41.825 23.462,41.825 23.6,41.963 23.6,42.238 23.462,42.375 22.417,42.375 22.28,42.513 22.28,42.788 22.417,42.925 23.697,42.925 23.834,43.063 23.834,43.338 23.6,43.572 23.6,44.325 24.2,44.925 24.2,46.149 23.88,46.469 23.88,114.756 28.469,119.345 31.02,119.345 ; 31.025,119.35 31.02,119.345 ; v1(83.694,90.439) 83.158,90.975 76.351,90.975 75.15,92.176 75.15,95.553 73.49,97.213 73.49,106.288 60.433,119.345 31.02,119.345
ENET_TX_EN: AB8-D6.G20 AB21-D14.25 | length 166.3
  1_Top w0.15: v1(81.694,90.439) AB8-D6.G20@82.194,89.939
  1_Top w0.17: AB21-D14.25@24.362,33.775 24.362,34.204 25,34.843 v3(25,34.85)
  5_int4_(sign) w0.1: v3(25,34.85) 24.965,34.885 24.965,35.985 24.825,36.125 24.825,38.788 24.687,38.925 24.197,38.925 24.06,39.063 24.06,39.338 24.197,39.475 24.828,39.475 24.965,39.613 24.965,39.888 24.828,40.025 24.197,40.025 24.06,40.163 24.06,40.438 24.197,40.575 24.828,40.575 24.965,40.713 24.965,40.988 24.828,41.125 24.197,41.125 24.06,41.263 24.06,41.538 24.197,41.675 24.828,41.675 24.965,41.813 24.965,42.088 24.828,42.225 24.197,42.225 24.06,42.363 24.06,42.638 24.197,42.775 24.828,42.775 24.965,42.913 24.965,43.188 24.825,43.328 24.825,46.174 24.34,46.659 24.34,114.566 28.659,118.885 59.867,118.885 71.95,106.802 71.95,106.272 73.025,105.197 73.025,96.227 74.2,95.052 74.2,92.475 76.725,89.95 81.071,89.95 81.561,90.439 v1(81.694,90.439)
ENET_TXD0: AB8-D6.K20 AB21-D14.19 | length 165.1
  1_Top w0.17: AB21-D14.19@25.012,30.625 26.169,30.625 v3(26.213,30.582) ; v1(81.694,87.439) AB8-D6.K20@82.194,86.939
  5_int4_(sign) w0.1: v3(26.213,30.582) 27.043,30.582 27.075,30.55 28.4,31.875 28.4,42.338 28.537,42.475 29.152,42.475 29.152,42.888 29.015,43.025 28.537,43.025 28.4,43.163 28.4,45.05 27.025,46.425 27.025,48.65 27,48.675 27,113.475 30.55,117.025 59.124,117.025 70.11,106.039 70.11,105.51 71.175,104.445 71.175,91.125 74.45,87.85 74.975,87.85 75.675,87.15 76.1,87.15 76.125,87.125 78.93,87.125 78.955,87.15 81.694,87.15 v1(81.694,87.439)
ENET_TXD1: AB8-D6.K21 AB21-D14.20 | length 165.3
  1_Top w0.17: AB21-D14.20@25.012,31.125 26.076,31.125 v3(26.2,31.25) ; AB8-D6.K21@83.194,86.939 v1(83.694,87.439)
  5_int4_(sign) w0.1: v3(26.2,31.25) 26.75,31.8 26.9,31.8 27.125,32.025 27.2,32.025 27.575,32.4 27.575,32.475 27.8,32.7 27.8,44.775 26.525,46.05 26.525,114.3 29.725,117.5 59.3,117.5 70.57,106.23 70.57,105.701 71.5,104.771 71.5,95.8 72.3,95 72.3,91 75.325,87.975 81.446,87.975 81.47,87.999 83.301,87.999 83.694,87.606 v1(83.694,87.439)
ENET_TXD2: AB8-D6.G21 AB21-D14.21 | length 166.9
  1_Top w0.17: AB21-D14.21@25.012,31.625 25.876,31.625 v3(26.2,31.95) ; v1(82.694,89.439) AB8-D6.G21@83.194,89.939
  5_int4_(sign) w0.1: v3(26.2,31.95) 25.85,31.95 25.5,32.3 25.5,34.35 26.025,34.875 26.025,36.675 25.425,37.275 25.425,39.713 25.563,39.85 26.441,39.85 26.578,39.988 26.578,40.263 26.441,40.4 25.563,40.4 25.425,40.538 25.425,46.225 24.8,46.85 24.8,48.475 24.825,48.5 24.825,114.4 28.85,118.425 59.676,118.425 71.49,106.611 71.49,106.082 72.179,105.393 72.179,96.423 73.22,95.381 73.22,92.396 76.576,89.039 82.014,89.039 82.414,89.439 v1(82.694,89.439) ; v1@82.694,89.4 v1@82.7,89.4
ENET_TXD3: AB8-D6.G22 AB21-D14.22 | length 169.4
  1_Top w0.17: AB21-D14.22@25.012,32.125 25.69,32.125 26.214,32.65 v3(26.225,32.65) ; v1(83.694,89.439) AB8-D6.G22@84.194,89.939
  5_int4_(sign) w0.1: v3(26.225,32.65) 26.4,32.475 26.925,32.475 27.34,32.89 27.34,40.938 27.203,41.075 26.093,41.075 25.955,41.213 25.955,41.388 26.192,41.625 27.203,41.625 27.34,41.763 27.34,42.038 27.203,42.175 26.093,42.175 25.955,42.313 25.955,42.488 26.192,42.725 27.203,42.725 27.34,42.863 27.34,44.584 26.065,45.859 26.065,114.391 29.634,117.96 59.491,117.96 71.03,106.421 71.03,105.891 71.825,105.096 71.825,96.126 72.76,95.191 72.76,92.015 76.196,88.579 82.979,88.579 83.694,89.294 v1(83.694,89.439)
EXT_SDA: A11-XS2.B6 AB17-X2.4 | length 140.9
  1_Top w0.17: v2(137.8,34.3) AB17-X2.4@137.8,35.85
  10_int9_(sign) w0.15: A11-XS2.B6@106.6,152 106.6,147.1 107.5,146.2 107.5,136.51 108.51,135.5 108.51,125.29 108.8,125 108.8,117.3 116.8,109.3 116.8,103.1 120,99.9 125.9,99.9 128.8,97 133.275,97 134.8,95.475 134.8,49.6 132.275,47.075 132.275,44.425 136.1,40.6 136.1,35 136.8,34.3 v2(137.8,34.3)